# Allegro board RK3588S_Template_LP5D315P232SD10H2_42x42_2750MHz_1R2_V10_20220413YWQ.brd (continued)
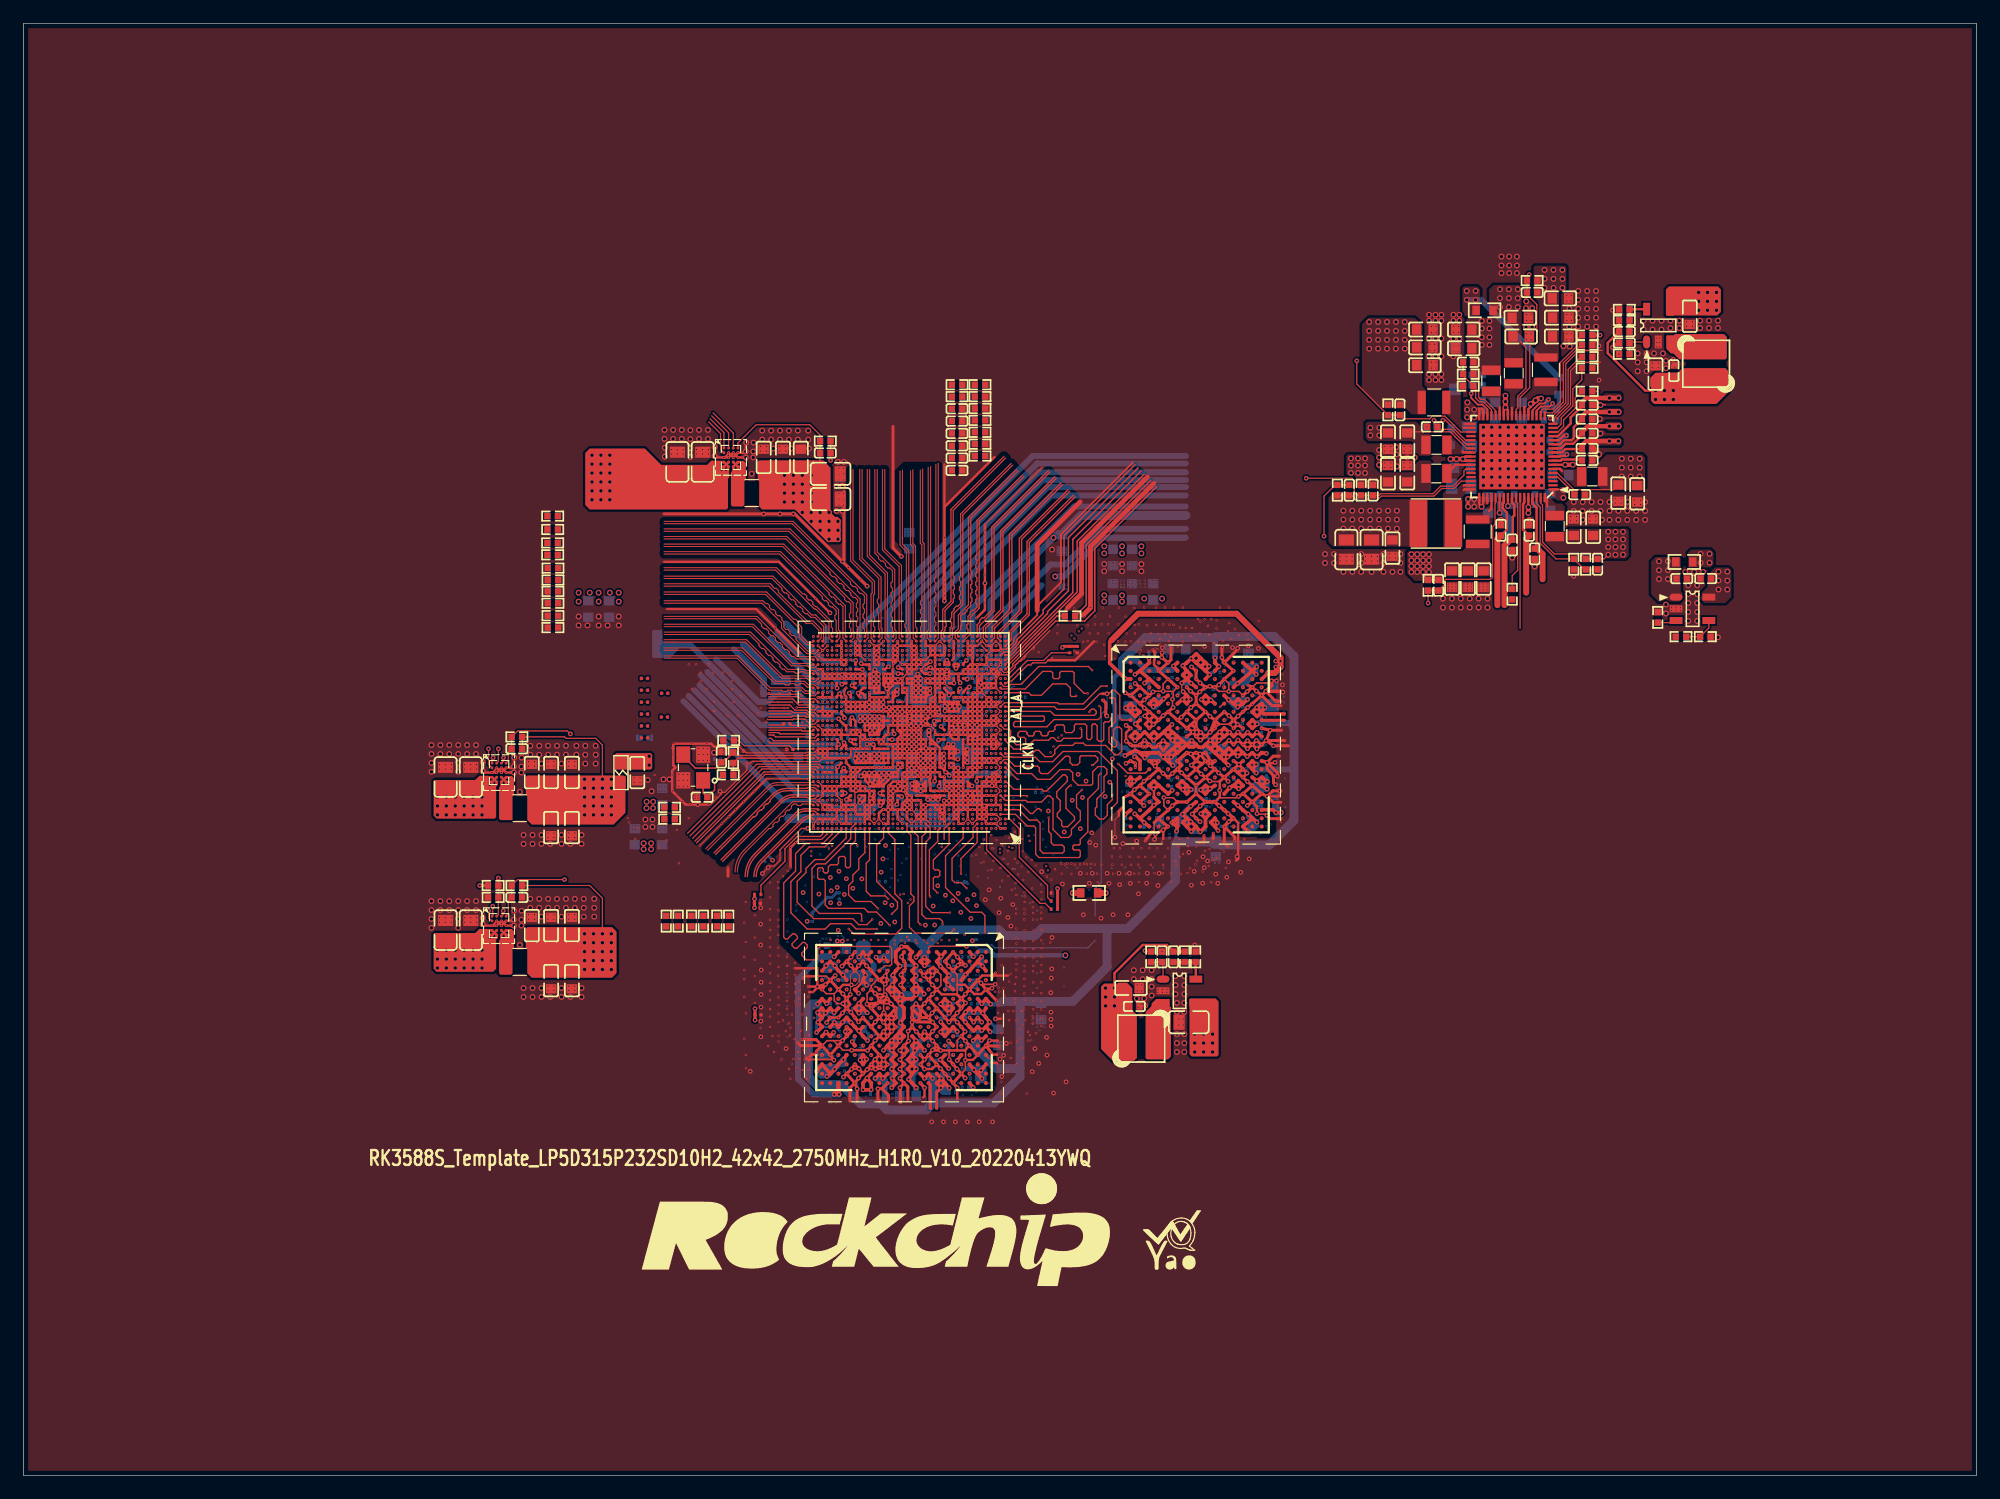
[diagram p0: board, top side]
## Routing (per net, layer and track width the routed paths; a pad name or vN(x,y) marks a point on that pad's centre or on a via; arc(x,y) is an arc through that point) (continued)
  L3-S1 w0.127: v1(73.5,37.93) 73.5,38.72 v1(73.49,38.73) ; v1(73.5,37.93) 73.5,37.66 73.39,37.55 ; v1(73.5,37.93) 73.53,37.96 v1(74.18,37.96) ; 99.86,56.52 99.89,56.52 v1(100.53,55.88) ; 99.86,56.52 v1(99.86,56.52) ; 99.86,56.52 v1(100.54,57.21) 100.91,57.58 v3(100.95,57.58) ; v8(105.3,67.38) 105.3,67.49 ; 105.3,67.49 105.28,67.47 104.56,67.47 ; 105.3,67.49 105.3,67.68 ; v8(91.06,64.23) 91.06,64.48 v4(91,64.54) ; v8(90.28,60.5) 90.33,60.5 v8(90.49,60.66) 90.49,60.91 ; v8(90.28,60.5) 90.7,60.08 v4(90.75,60.08) ; v8(90.28,60.5) 90.28,60.74 v4(90.15,60.87) ; v1(83.51,49.33) 83.51,48.84 v4(83.4,48.73) ; 88.93,65.98 v4(89.05,66.09) 89.42,66.47 v4(89.56,66.47) ; 88.93,65.98 88.86,65.91 v8(88.72,65.91) 88.44,65.91 87.9,65.38 v8(87.9,65.3) 87.9,64.94 v4(87.89,64.93) 87.92,64.9 ; 88.93,65.98 v4(88.93,65.4) 89.1,65.23 v8(89.1,65.01) ; v4(103.83,68.37) 104.09,68.11 v8(104.09,68.07) ; v4(73.83,46.62) 73.65,46.8 v8(73.65,46.92) ; v4(73.83,46.62) 73.63,46.43 v8(73.58,46.43) ; v4(73.83,46.62) 74.01,46.44 v8(74.11,46.44) ; v4(92.33,61.09) 92.43,61.18 v8(92.63,61.18) 92.57,61.25 v8(92.57,61.39) 92.36,61.39 v4(92.26,61.5) 92.26,61.17 v4(92.33,61.09) ; v4(92.33,61.09) 92.24,60.99 v8(92.24,60.8) ; 98.14,68.3 v8(98.14,67.99) ; 98.14,68.3 98.05,68.22 97.92,68.22 v8(97.84,68.29) ; 98.14,68.3 v4(98.19,68.35) ; 104.56,67.47 v3(104.62,67.53) ; 104.56,67.47 104.56,67.22 ; 104.56,67.22 105.16,67.22 v1(105.34,67.03) ; 104.56,67.22 v1(104.56,66.99) ; 97.94,59.6 97.94,59.77 v1(98.17,60) 98.92,60 v1(98.96,60.03) 99.12,59.88 99.12,59.16 ; 97.94,59.6 v8(97.69,59.85) 97.54,60 v1(97.37,60) 97.02,60.36 v4(97.02,60.36) ; 97.94,59.6 v8(97.94,59.49) 97.94,59.24 v4(98.03,59.15) 98.21,58.97 v8(98.34,58.97) 98.4,58.91 v8(98.61,58.91) 98.86,59.16 99.12,59.16 ; 99.12,59.16 100.42,59.16 100.79,59.53 v8(100.79,59.56) ; v4(89.56,66.47) 89.68,66.59 89.68,66.78 89.85,66.94 90.02,66.94 90.14,67.06 v8(90.14,67.06) 90.44,67.06 v4(90.48,67.03) ; v4(89.56,66.47) 89.62,66.41 v8(89.62,65.88) ; v8(83.03,48.82) 83.31,48.82 v4(83.4,48.73) ; 92.55,65.31 v8(92.62,65.38) 92.83,65.6 v8(92.83,65.62) 92.89,65.67 92.89,65.79 ; v1(100.58,63.51) 100.56,63.53 v1(99.93,63.53) ; v4(72.73,40.06) 72.68,40.01 ; 72.68,40.01 72.61,39.94 v8(72.61,39.79) ; 72.68,40.01 72.58,40.01 v8(72.44,40.15) 72.22,40.15 v1(72.08,40.28) 72.08,40.65 v8(72.02,40.71) ; v8(81.56,47.67) 81.79,47.45 v4(81.79,47.4) 81.86,47.33 v8(81.86,47.04) 81.86,46.8 v4(81.72,46.66) 81.65,46.59 ; 105.3,67.68 105.19,67.57 v8(105,67.57) ; 105.3,67.68 v4(105.34,67.72) ; v3(85.28,52.04) 86.97,50.34 v3(86.97,38.4) 86.97,38.29 86.21,37.53 ; v3(85.28,52.04) v3(84.94,52.38) ; v3(85.28,52.04) 85.24,52.04 ; v8(89.26,65.56) 89.26,65.88 ; v8(89.26,65.56) 89.32,65.62 ; v8(89.26,65.56) 89.09,65.56 ; 90.26,54.03 v8(90.58,54.03) 90.65,54.09 v1(91.1,54.09) ; 90.26,54.03 90.28,54.05 v8(90.28,54.19) 90.28,54.37 v8(90,54.64) ; 90.26,54.03 v4(90.11,53.88) ; 72.18,41.22 72.26,41.31 v8(72.26,41.42) ; 72.18,41.22 v4(72.07,41.11) 72.02,41.06 ; 72.18,41.22 v8(72.42,41.22) 72.75,41.22 v1(72.77,41.2) ; v8(100.79,59.56) 100.81,59.58 100.81,59.76 v1(100.63,59.95) 100.62,59.95 v4(100.24,60.33) ; v8(100.79,59.56) 100.91,59.56 101.13,59.34 v1(101.37,59.34) 101.42,59.39 101.64,59.39 101.65,59.38 101.87,59.38 101.88,59.39 v4(102.25,59.39) ; v4(92.09,57.45) 92.09,57.55 92.33,57.79 92.33,57.94 v1(92.42,58.02) ; v4(92.09,57.45) 91.94,57.3 v8(91.94,57.13) 91.97,57.1 v8(92.16,57.1) 92.16,57.38 v4(92.09,57.45) ; v8(97.41,54.32) 97.5,54.32 97.6,54.42 ; 77.69,41.89 78.31,41.89 ; 78.31,41.89 v4(78.34,41.89) 78.34,41.91 78.54,42.12 v8(78.54,42.16) ; 78.31,41.89 78.11,41.68 78.05,41.68 ; v1(95.12,54.22) 94.9,54.43 v8(94.74,54.43) 94.74,54.59 94.9,54.75 ; v1(95.12,54.22) 95.12,53.92 ; v1(95.12,54.22) 95.12,54.78 v4(95.02,54.88) 94.9,54.75 ; v1(90.48,57.94) 90.93,57.94 v4(91.15,57.73) ; v8(73.67,48.17) 73.7,48.14 73.7,48.05 73.8,47.95 v8(73.8,47.87) ; v8(73.67,48.17) 73.81,48.31 v8(73.81,48.47) ; v8(73.67,48.17) 73.47,48.17 v4(73.34,48.03) ; v8(92.56,66.1) 92.68,65.99 v4(92.89,65.99) 93.29,65.59 v4(93.35,65.59) 93.18,65.42 v8(93.04,65.42) 92.84,65.62 ; v3(64.5,47.5) 64.5,38.6 64.55,38.56 ; v8(83.18,46.66) 83.18,46.36 v8(83.13,46.31) 83.28,46.31 v8(83.52,46.55) ; v8(83.18,46.66) 83.27,46.66 83.55,46.94 ; v8(83.18,46.66) 83.11,46.59 v8(82.87,46.59) 82.83,46.59 82.57,46.86 v4(82.54,46.86) 82.54,46.94 82.41,47.07 82.41,47.1 v8(82.39,47.12) ; 72.15,46.59 v8(71.65,46.59) 71.3,46.59 v8(71.27,46.62) 71.27,46.65 v4(71.05,46.87) ; v8(104.51,69.65) 104.51,69.78 v4(104.72,69.99) ; v8(91.35,65.93) 91.35,66.17 v4(91.47,66.29) ; v8(71.13,47.21) 71.13,46.94 v4(71.05,46.87) ; v8(96.99,64.3) 96.99,64.3 96.99,64.62 97.02,64.64 v4(97.02,64.67) ; v8(96.99,64.3) 96.99,64.02 v8(97,64.01) ; v8(96.99,64.3) 96.67,64.3 v1(96.54,64.18) ; v4(71.05,46.87) 70.92,46.87 v8(70.75,47.05) ; v4(71.05,46.87) 70.97,46.79 v8(70.97,46.54) ; v4(72.44,37.92) 72.59,37.78 v8(73.01,37.78) 72.85,37.62 v8(72.85,37.59) ; v4(72.44,37.92) 72.44,38.15 72.27,38.32 ; v4(72.44,37.92) 72.27,38.1 v8(72.11,38.1) ; 70.38,34.42 70.69,34.73 v1(70.75,34.73) 70.71,34.76 v4(70.71,35.49) ; 70.38,34.42 v4(70.37,34.41) ; 70.38,34.42 v8(70.38,34.75) ; v8(90.37,64.69) 90.37,64.95 v4(90.19,65.14) 90.19,65.24 v4(89.8,65.62) ; v8(90.37,64.69) 90.2,64.51 v8(90.06,64.51) 90.06,64.43 90.09,64.4 90.09,64.18 v4(90.06,64.15) 90.02,64.2 v8(89.66,64.2) ; v8(90.37,64.69) 90.51,64.82 v8(90.71,64.82) 90.73,64.82 ; v8(89.66,64.2) 89.66,64.2 v8(89.36,64.2) 89.57,63.98 v4(89.57,63.78) 89.66,63.87 v8(89.66,64.2) ; v1(79.85,43.6) 80.47,43.6 80.49,43.59 ; v1(79.85,43.6) 79.13,43.6 v1(79.05,43.53) ; v1(79.85,43.6) 79.8,43.66 v1(79.8,44.31) 79.97,44.14 v8(80.06,44.14) 80.07,44.13 80.11,44.13 80.13,44.11 80.42,44.11 v4(80.49,44.05) ; v1(67.83,41.78) 67.81,41.8 v3(67.04,41.8) ; v1(67.83,41.78) 67.85,41.76 68.29,41.76 68.49,41.96 v1(68.53,41.96) ; v1(67.83,41.78) 67.46,41.4 v3(67.46,41.32) ; 79.5,36.51 v4(79.58,36.43) ; 79.5,36.51 79.4,36.61 v8(79.4,36.7) ; 79.5,36.51 v8(79.23,36.51) ; 96.45,68.26 v8(96.45,67.91) 96.45,67.82 v4(96.69,67.58) ; 96.45,68.26 96.37,68.18 v8(96.07,68.18) ; 96.45,68.26 v4(96.49,68.3) ; v4(90.48,67.03) 90.44,67 v8(90.44,66.62) 90.61,66.46 v8(90.61,66.42) 90.77,66.25 v4(90.77,66.09) ; v4(90.48,67.03) 90.56,67.03 90.68,67.15 90.94,67.15 91.02,67.23 v4(91.04,67.23) ; v8(96.72,60.25) 96.91,60.25 v4(97.02,60.36) ; v4(70.37,34.41) 70.41,34.37 v8(70.41,34.07) 70.36,34.02 70.09,34.02 v1(70.06,34.05) 69.94,34.17 v4(69.94,34.49) 70.02,34.41 v4(70.37,34.41) ; v8(91.56,58.93) 91.56,58.93 v4(91.32,58.69) 91.66,58.69 v8(91.68,58.71) 91.68,58.82 v8(91.56,58.93) ; v8(91.56,58.93) 91.59,58.96 v4(91.59,60.06) ; v8(80.92,43.43) 80.86,43.38 v8(80.86,43.16) 80.86,43.05 80.98,42.93 v4(80.98,42.84) 81.02,42.84 81.1,42.92 81.1,43.15 v8(81.16,43.21) 81.14,43.21 v8(80.92,43.43) ; v8(80.92,43.43) 80.95,43.46 v8(81.33,43.46) ; v8(80.92,43.43) 80.64,43.43 v1(80.49,43.59) 80.49,43.59 ; v8(87.92,64.51) 87.92,64.9 ; 87.92,64.9 88.09,64.73 v8(88.25,64.73) ; 96.04,53.82 95.95,53.92 ; 96.04,53.82 96.1,53.76 ; 96.04,53.82 96.01,53.79 95.05,53.79 95.02,53.82 ; 95.95,53.92 95.84,54.02 ; 95.95,53.92 95.94,53.9 95.13,53.9 95.12,53.92 ; v4(66.52,48.81) 66.52,48.76 ; 66.52,48.76 66.46,48.7 v8(66.46,48.45) ; 66.52,48.76 66.67,48.61 66.67,48.47 v8(66.68,48.46) ; v1(84.12,47.69) 83.64,47.69 83.36,47.96 v1(83.36,48.09) 83.36,48.69 ; 88.29,51.62 86.06,53.85 85.94,53.85 85.83,53.95 ; 90.3,54.94 90.34,54.9 90.4,54.9 90.55,54.75 91.1,54.75 ; 90.3,54.94 v8(90,54.64) ; 90.3,54.94 v1(90.3,55.28) ; 77.73,35.23 77.69,35.27 ; 77.69,35.27 v4(77.62,35.34) ; 77.69,35.27 77.89,35.27 v8(77.94,35.32) ; v8(79.31,51.14) 79.31,51.4 ; 79.31,51.4 79.5,51.21 v8(79.54,51.21) ; 79.31,51.4 v4(79.23,51.48) ; v3(83.08,64.92) 83.02,64.86 v4(82.78,64.86) ; 84.62,46.7 v8(84.62,46.44) 84.62,46.24 v8(84.56,46.18) ; 84.62,46.7 v1(84.37,46.95) ; 84.62,46.7 84.66,46.74 v3(84.83,46.74) ; 96.1,53.76 96.03,53.69 95.03,53.69 94.96,53.76 95.02,53.82 ; 96.1,53.76 96.19,53.67 v3(96.19,53.6) ; v1(77.68,36.36) 76.99,35.67 v1(76.99,35.54) ; v1(77.68,36.36) 77.69,36.37 v1(77.69,37.14) 78.15,37.14 v8(78.21,37.2) 78.21,37.22 v8(78.37,37.38) 78.49,37.5 v4(78.69,37.5) ; v1(77.68,36.36) 78.33,36.36 v1(78.37,36.33) ; v8(72.02,40.71) 72.02,41.06 ; v8(72.02,40.71) 71.92,40.81 71.77,40.81 ; 90.66,61.07 v4(90.62,61.03) 90.49,60.91 ; 90.66,61.07 90.76,61.17 v4(90.76,61.53) 90.76,61.53 v8(91.08,61.53) 91.08,61.3 v4(91.25,61.13) 91,61.13 v8(90.95,61.07) 90.66,61.07 ; v3(99.5,53.78) 99.5,53.66 98.43,52.59 v3(98.43,52.49) 98.33,52.49 98.11,52.27 98.11,52.17 ; 107.05,66.46 106.93,66.58 106.15,66.58 ; v8(73.68,47.49) 73.57,47.6 v8(73.57,47.78) ; 80.87,35.21 v4(81,35.35) ; 80.87,35.21 80.84,35.19 v8(80.69,35.19) 80.69,35.27 v1(80.47,35.49) ; 80.87,35.21 v8(80.87,35.01) 80.75,34.89 80.75,34.66 v8(80.5,34.4) ; 72.27,38.32 72.34,38.32 v1(72.77,38.76) 73.46,38.76 v1(73.49,38.73) ; 72.27,38.32 v8(72.22,38.32) ; 95.84,54.02 95.84,53.63 95.8,53.59 v3(96.88,53.59) ; 95.84,54.02 v3(95.84,54.22) ; v4(80.49,44.05) 80.4,44.05 80.27,43.92 v8(80.27,43.8) ; v4(80.49,44.05) 80.49,43.59 ; 73.39,37.55 73.26,37.55 v4(73.19,37.48) 73.09,37.59 v8(72.85,37.59) ; 73.39,37.55 v8(73.57,37.55) ; v8(72.85,37.59) 72.77,37.5 v1(72.77,37.16) 72.67,37.06 v8(72.67,36.78) 72.69,36.78 v4(72.94,36.53) 72.94,36.52 v8(72.59,36.52) 72.32,36.52 v1(72.12,36.33) ; v1(84.54,48.79) 84.54,48.73 v3(84.82,48.44) ; 85.83,53.95 86.09,53.95 86.2,53.85 ; 85.83,53.95 85.6,54.19 85.6,54.31 85.19,54.72 84.98,54.72 ; v8(77.86,39.83) 77.86,39.85 v4(77.62,40.09) ; v8(86.6,57.23) 86.6,57.37 86.47,57.5 v4(86.45,57.5) 86.47,57.53 86.6,57.53 86.6,57.53 86.78,57.53 v8(86.8,57.52) 86.89,57.61 86.99,57.61 v4(87.08,57.71) 87.08,57.65 87.4,57.34 v8(87.4,57.32) 87.57,57.15 v1(87.57,56.79) ; 106.49,65.99 106.48,66 105.09,66 104.99,66.11 v8(104.98,66.11) 104.98,66.01 v1(104.6,65.63) ; v4(71.47,37) 71.45,37 71.18,36.74 v8(71.18,36.71) 71.1,36.63 v8(71.1,36.47) 70.89,36.47 v1(70.77,36.35) ; v4(71.47,37) 71.45,37.03 71.45,37.11 v8(71.29,37.27) ; v4(71.47,37) 71.47,37.03 71.56,37.12 v4(71.56,37.42) ; 86.21,37.53 v3(85.83,37.92) ; 86.21,37.53 v3(84.35,35.67) ; v4(78.08,49.36) 78.25,49.19 v8(78.25,49.04) ; v8(100.24,64.94) 100.32,65.02 100.5,65.02 v4(100.59,64.93) 100.8,65.14 101.08,65.14 v8(101.12,65.1) 101.15,65.1 v1(101.39,64.87) ; 81.65,46.59 81.57,46.51 v8(81.38,46.51) ; 81.65,46.59 v8(81.65,46.28) ; v4(77.62,40.09) 77.62,39.55 v1(77.64,39.53) 77.69,39.48 v1(77.69,38.74) ; v4(77.62,40.09) 77.7,40.17 v8(77.94,40.17) ; v4(77.62,40.09) 77.53,40.18 77.32,40.18 77.16,40.34 v1(76.99,40.34) 76.29,40.34 v1(76.26,40.31) ; 86.28,39.58 v3(86.28,39.13) ; 86.28,39.58 v3(85.6,38.9) v3(84.84,38.9) v3(84.21,38.9) 83.9,38.9 v3(83.26,39.54) 82.96,39.54 v8(82.94,39.52) 82.94,39.14 v1(83.05,39.03) 83.24,38.85 v8(83.24,38.66) ; 86.28,39.58 86.28,50.11 83.68,52.7 83.57,52.7 82.93,53.34 82.93,53.46 82.33,54.06 ; v4(79.23,51.48) 79.23,51.54 79.38,51.69 79.38,51.75 v8(79.43,51.8) 79.43,51.95 v4(79.22,52.16) 79.21,52.16 v8(79.21,51.82) 79.21,51.49 v4(79.23,51.48) ; v8(93.81,68.53) 93.59,68.53 v4(93.46,68.39) ; v8(93.87,67.28) 93.87,67.58 v4(93.81,67.64) 93.79,67.61 ; 98.11,52.17 95.27,52.17 v3(95.25,52.19) ; 98.11,52.17 98.74,52.17 98.91,52.34 ; v4(90.75,60.08) 90.79,60.04 v1(90.79,59.34) ; v4(90.75,60.08) 90.58,59.92 v1(90.11,59.92) 89.55,59.92 v8(89.43,60.03) 89.39,60.03 v4(89.13,60.29) 89.13,60.29 v8(89.13,59.84) ; v4(99.98,70.58) 99.75,70.35 v8(99.74,70.35) ; v4(99.98,70.58) 100.19,70.37 v8(100.32,70.37) ; v4(99.98,70.58) 99.79,70.77 v8(99.7,70.77) ; v8(91.39,57.94) 91.36,57.94 v4(91.15,57.73) ; v8(91.06,53.32) 91.1,53.36 v1(91.1,54.09) ; 98.73,57.66 98.89,57.82 v8(98.89,57.89) ; v8(78.89,46.51) 79.11,46.73 v4(79.11,46.76) 78.9,46.97 v8(78.9,47.05) ; v8(90,54.64) 89.71,54.64 v4(89.62,54.55) 89.54,54.62 89.43,54.62 v8(89.33,54.73) 89.27,54.73 89,55 v1(88.92,55) ; 69.96,37.14 69.75,36.93 v8(69.61,36.93) 69.41,37.14 ; v8(91.31,57.43) 91.31,57.56 v4(91.15,57.73) ; v4(91.15,57.73) 90.93,57.51 v8(90.93,57.46) ; v3(83.83,41.01) 83.83,41.51 v3(83.73,41.61) 83.65,41.69 v3(83.31,41.69) v1(83.03,41.97) 82.75,41.69 v1(82.75,41.64) 82.75,41.6 v3(83.01,41.34) 83.02,41.35 v3(83.39,41.35) ; v8(98.34,64.62) 98.4,64.62 98.54,64.47 ; 95.12,53.92 95.02,53.82 ; v4(77.62,35.34) 77.39,35.57 v8(77.39,35.62) 77.31,35.54 v1(76.99,35.54) ; v4(77.62,35.34) 77.78,35.5 77.81,35.5 77.83,35.53 v8(77.86,35.53) ; 91.1,54.75 v1(91.28,54.92) ; 91.1,54.75 v1(91.1,54.09) ; v8(72.45,43) 72.6,43.15 v4(72.77,43.15) 72.88,43.15 v8(73.07,43.35) 73.23,43.5 v8(73.23,43.6) ; v1(79.09,38.74) v1(79.79,38.74) 79.78,38.75 v1(79.78,39.53) 80.49,40.24 v1(80.49,40.39) 80.49,40.39 v1(80.49,41.14) ; v1(83.59,34.09) 83.59,34.1 84.02,34.53 v3(84.12,34.53) ; 79.2,41.17 v4(79.11,41.09) ; 79.2,41.17 79.22,41.2 v8(79.42,41.2) 79.51,41.2 v8(79.8,41.5) ; 79.2,41.17 v8(79.2,41.42) 79.35,41.57 v8(79.52,41.57) 79.52,41.6 v4(79.75,41.83) ; v4(79.11,41.09) 78.77,41.09 v8(78.73,41.04) 78.53,40.85 v4(78.44,40.85) 78.64,40.65 v8(78.77,40.65) 78.77,40.75 v4(79.11,41.09) ; v8(72.2,46.64) 72.2,46.95 v8(72.3,47.05) 72.3,47.23 ; v1(91.1,54.09) 91.33,53.86 v1(91.62,53.86) ; v8(93.33,63.24) 93.33,63.09 v4(93.15,62.92) 93.02,63.06 v8(93.02,63.29) ; 64.55,38.56 v3(65.49,37.61) 65.81,37.3 v3(65.89,37.3) ; 64.55,38.56 64.55,50.76 ; v4(92.53,68.83) 92.53,68.73 v4(92.89,68.37) ; 83.55,46.94 83.55,46.58 v8(83.52,46.55) ; 83.55,46.94 v4(83.57,46.97) ; v1(76.99,35.54) v1(76.99,34.74) 76.99,34.65 77.26,34.37 77.95,34.37 v1(78.36,34.78) 78.16,34.78 v8(78.01,34.94) ; 94.9,54.75 v8(94.69,54.75) 94.54,54.75 v4(94.41,54.63) 94.22,54.63 v8(94.11,54.73) ; v8(93.8,57.38) 93.55,57.38 v4(93.43,57.27) 93.45,57.27 93.63,57.09 v8(93.72,57.09) ; v8(98.61,65.65) 98.61,65.97 98.62,65.98 ; 100.12,57.62 v8(99.09,57.62) 98.69,57.62 ; v4(98.25,70.41) 98.36,70.52 v8(98.6,70.52) 98.72,70.4 v8(98.72,70.26) 99.03,70.26 v4(99.07,70.22) 98.99,70.15 v8(98.99,69.82) ; v8(92.78,53.69) 92.75,53.72 v4(92.75,54.02) ; v1(73.49,38.73) 73.52,38.76 v1(73.52,39.56) ; v8(90.46,65.83) 90.51,65.83 ; v8(68.16,36.87) 68.15,36.86 67.97,36.86 v4(67.86,36.97) ; v8(91.68,67.83) 91.68,67.92 v4(91.88,68.12) 91.84,68.16 v8(91.24,68.16) 91.24,68.28 v4(91.03,68.49) ; v1(76.29,37.94) 76.26,37.96 75.79,37.96 ; v4(97.02,60.36) 97.02,60.38 96.8,60.61 v1(96.69,60.61) ; v4(97.02,60.36) 97.04,60.38 v8(97.04,60.7) ; v4(93.46,68.39) 93.46,68.04 v8(93.43,68.01) ; v4(93.46,68.39) 93.43,68.37 ; v8(77.51,46.49) 77.61,46.59 v8(77.61,46.81) ; v8(73.31,47.71) 73.31,48.01 v4(73.34,48.03) ; v1(98.18,66.34) 98.3,66.22 v8(98.3,65.98) 98.62,65.98 ; v8(80.5,34.4) 80.16,34.4 v4(80.16,34.4) 80.09,34.4 v1(79.76,34.74) 79.76,34.78 79.58,34.97 v8(79.58,34.99) 79.58,35.07 v1(79.1,35.54) ; v8(80.5,34.4) 80.46,34.37 v1(80.46,33.96) ; v1(70.71,44.29) v1(70.71,43.57) ; v1(70.71,43.57) 70.72,43.55 ; v1(70.71,43.57) 69.98,43.57 v1(69.95,43.53) ; 103.7,57.91 v8(103.7,57.72) 103.69,57.73 v8(103.46,57.73) 103.21,57.73 ; 93.43,68.37 93.11,68.05 ; 93.43,68.37 v4(92.89,68.37) ; v4(83.19,37.52) 83.22,37.55 v8(83.22,37.92) 83.36,37.92 83.41,37.87 ; v4(83.19,37.52) 83.22,37.52 83.49,37.25 v8(83.5,37.25) 83.54,37.21 v8(83.54,36.9) 83.35,36.71 v3(83.35,36.68) ; v4(83.19,37.52) 82.9,37.52 v1(82.55,37.17) 82.07,37.65 v8(81.77,37.65) 81.54,37.65 81.53,37.64 ; 90.49,60.91 90.46,60.87 v4(90.15,60.87) ; v1(69.99,39.53) 69.99,40.29 v1(70.02,40.33) 70.02,41.16 v1(70.01,41.17) ; v4(73.34,48.03) 73.57,47.8 v8(73.57,47.78) ; 93.79,67.61 93.59,67.42 v8(93.59,67.33) ; 93.79,67.61 v8(93.42,67.61) ; 106.15,66.58 106.15,67.01 v1(106.15,67.01) ; 106.15,66.58 v8(105.59,66.58) 105.59,66.96 105.64,67.01 ; v8(71.09,51.84) 71.12,51.84 v4(71.32,51.64) 71.09,51.42 v8(71.09,51.38) ; v3(91.11,71.96) 91.12,71.96 96.89,71.96 v3(96.97,71.89) ; v8(93.42,67.61) 93.43,67.62 v8(93.43,68.01) ; v8(93.42,67.61) 93.37,67.67 v8(93.11,67.67) 93.11,68.15 93.05,68.2 ; 93.11,68.05 93.39,68.05 v8(93.43,68.01) ; 93.11,68.05 v8(93.05,68.05) 93.05,68.2 ; 93.05,68.2 v4(92.89,68.37) ; v8(83.52,46.55) 83.52,46.46 83.97,46.02 v8(84.01,46.02) 84.19,46.02 v4(84.35,45.85) 84.56,46.06 v8(84.56,46.18) ; v8(97.03,65.91) 97.03,65.57 v4(97.04,65.55) 97.27,65.32 v8(97.44,65.32) 97.44,65 v1(97.38,64.94) 98.42,64.94 v8(98.54,64.82) ; v1(70.7,39.59) 70.7,39.43 ; 70.72,43.55 70.98,43.29 70.98,42.63 ; 70.72,43.55 v1(72.05,43.55) ; v8(84.56,46.18) 84.6,46.18 v3(84.84,45.94) ; v8(89.62,65.88) 89.41,66.09 89.33,66.09 ; v8(89.62,65.88) 89.62,65.8 ; v8(68.32,37.41) 68.51,37.41 v8(68.58,37.34) 68.61,37.37 v4(68.91,37.37) ; v1(98.93,64.8) 98.83,64.9 98.62,64.9 v8(98.54,64.82) ; v1(98.93,64.8) 98.83,64.8 98.63,64.6 v4(98.63,64.39) 98.54,64.47 ; v1(98.93,64.8) 98.93,64.9 99.17,65.14 v8(99.17,65.19) ; v4(78.58,51.86) 78.57,51.86 78.57,51.6 78.61,51.56 v8(78.61,51.54) ; v4(90.15,60.87) 90.05,60.77 v8(89.85,60.77) ; v1(77.68,37.96) 77.68,37.14 ; 102.82,56.68 102.63,56.68 v8(102.59,56.64) 102.57,56.63 102.57,56.6 v4(102.35,56.38) 102.29,56.45 v8(102.29,56.72) ; v8(77.61,46.81) 77.29,46.81 v1(77.06,47.03) ; v8(77.61,46.81) 77.62,46.81 v1(77.85,47.04) ; v8(81.53,37.85) 81.53,37.64 ; 81.53,37.64 v4(81.44,37.55) ; v8(79.54,51.21) 79.71,51.21 v4(79.84,51.08) 79.73,50.97 v8(79.53,50.97) 79.53,51.19 v8(79.54,51.21) ; v4(72.19,47.34) 71.98,47.55 v8(71.98,47.58) ; v1(93.26,54.54) 93.4,54.54 v1(93.94,54) ; v1(94.13,66.88) 94.28,66.73 94.74,66.73 94.99,66.98 v1(94.99,67.67) 95.77,66.89 v1(95.77,66.29) 95.77,66.29 v1(95.77,65.58) 95.82,65.54 v1(95.82,64.9) ; 93.72,55.65 93.72,55.82 v8(93.7,55.84) 93.7,55.86 93.48,56.08 ; 93.72,55.65 v4(93.72,55.35) ; 93.72,55.65 93.61,55.76 v8(93.44,55.76) 93.44,56.05 93.48,56.08 ; v8(73.57,47.78) 73.66,47.87 v8(73.8,47.87) ; v3(84.83,42.59) 84.82,42.59 v3(84.82,44.82) ; v8(98.54,64.82) 98.54,64.47 ; 91.13,66.29 v8(91.12,66.28) 90.96,66.28 ; v1(101.37,67.44) 101.67,67.14 v8(101.67,67.1) ; 73.81,47.49 73.98,47.49 v8(74,47.47) 74,47.67 v8(73.8,47.87) ; 72.02,41.06 71.77,40.81 ; 77.65,41.93 77.69,41.96 77.69,42.71 v1(77.66,42.74) 76.98,42.74 76.96,42.72 v1(76.93,42.72) ; v4(91.66,65.3) 91.68,65.31 v8(91.98,65.31) 91.99,65.31 v4(92.31,65.31) 92.56,65.06 92.56,64.95 ; 68.07,33.88 68.19,33.75 v8(68.26,33.75) 68.38,33.63 v8(68.54,33.63) ; 68.07,33.88 v8(68.07,33.63) ; 68.07,33.88 v4(68.01,33.93) 68.14,34.07 v8(68.14,34.24) 68.27,34.37 v8(68.27,34.46) ; v8(89.35,61.26) 89.53,61.43 v4(89.62,61.43) 89.7,61.43 89.88,61.61 v8(89.88,61.63) ; v1(80.46,37.94) 80.49,37.91 v1(80.49,37.14) ; v4(91.67,63.68) 91.48,63.86 v8(91.37,63.86) ; 70.27,37.94 70.49,37.94 70.89,38.34 70.93,38.34 v1(71.36,38.77) ; 93.48,56.08 v4(93.48,56.09) 93.48,56.1 v8(93.25,56.33) ; v8(83.08,48.5) 83.17,48.5 83.36,48.69 ; v8(93.12,63.54) 92.81,63.54 92.73,63.61 v4(92.73,63.66) ; 83.36,48.69 v4(83.4,48.73) ; v4(98.65,66) 98.62,65.98 ; v8(97.23,56.39) 97.23,56.14 97.18,56.09 97.27,55.99 v3(97.27,55.87) ; v4(69.33,37.14) 69.33,36.79 v8(69.35,36.77) ; v8(79.55,36.96) 79.61,36.96 v4(79.82,37.16) ; 71.77,40.81 v4(71.64,40.81) ; v8(101.88,68.52) 102.06,68.33 v4(102.22,68.33) ; v1(92.82,59.25) 93.17,58.89 v8(93.18,58.89) 93.2,58.91 v4(93.52,58.91) 93.58,58.85 v8(93.86,58.85) ; 92.19,52.9 v3(93.01,52.9) ; 63.8,38.17 63.96,38.01 ; v1(103.85,60.77) 103.85,60.69 103.73,60.57 103.73,59.35 103.62,59.25 103,59.25 v1(102.93,59.32)
  L3-S1 w0.152: v4(86.62,67.35) 86.62,67.5 v8(86.74,67.62) ; v8(98.72,61.28) 98.72,61.54 v4(98.85,61.66) 99,61.81 v8(99,62.32) ; 80.56,71.43 v3(80.69,71.3) 80.69,71.1 ; 80.56,71.43 v8(80.56,71.63) v8(80.56,72.26) v8(80.56,72.95) ; 80.56,71.43 80.56,71.23 80.69,71.1 ; v8(99,62.32) 98.57,61.89 98.53,61.89 ; v8(99,62.32) 99.42,61.89 99.44,61.89 ; v4(79.88,47.45) 80.18,47.45 v8(80.18,47.45) ; 101.09,61.85 99.25,61.85 99.16,61.76 ; 101.09,61.85 101.81,61.85 v8(101.94,61.72) 101,61.72 100.97,61.7 100.57,61.7 v1(100.54,61.66) v1(99.74,61.66) ; 101.09,61.85 v3(101,61.76) ; v1(102.13,60.04) 102.32,59.85 ; 102.32,59.85 102.34,59.82 v8(102.34,59.67) 102.34,59.48 ; 102.32,59.85 102.46,59.85 v8(102.48,59.86) 102.62,59.86 v4(102.78,60.02) 102.83,59.96 v8(102.83,59.72) 102.83,59.41 ; v8(102.36,61.09) 102.33,61.06 v3(101.8,61.06) v3(101,61.06) 100.88,60.95 ; 82.8,55.73 82.82,55.72 82.84,55.72 82.86,55.7 v3(83.1,55.7) ; v3(99.4,61.76) 99.16,61.76 ; 99.16,61.76 v8(99.15,61.75) 98.77,61.75 v8(98.52,61.5) ; v8(102.4,66.7) 102.4,66.49 102.39,66.48 ; v3(63.45,64.41) v3(62.74,65.13) v3(61.28,66.59) 60.92,66.94 v8(60.4,66.94) 60.02,66.94 ; v3(67.49,71.7) v8(67.31,71.88) v8(66.75,72.44) 66.62,72.44 v8(65.99,73.08) v8(65.1,73.96) v8(64.59,74.47) v8(63.2,75.87) 61.74,77.33 ; 102.34,59.48 102.35,59.49 102.57,59.49 v8(102.59,59.47) 102.77,59.47 102.83,59.41 ; 102.34,59.48 v4(102.25,59.39) ; v4(102.46,64.91) 102.46,64.89 v8(102.18,64.61) 102.18,64.18 v4(102.18,64.18) ; v4(102.46,64.91) 102.74,65.19 v8(102.84,65.19) ; v4(102.46,64.91) 102.46,65.12 v8(102.31,65.27) 102.32,65.27 102.64,65.58 ; v3(63.35,61.04) 58.62,56.31 v4(58.37,56.31) 57.1,56.31 ; 102.64,65.58 v4(102.64,65.6) 102.64,65.94 v8(102.59,65.98) 102.59,66.03 102.49,66.13 ; 102.64,65.58 102.77,65.45 102.77,65.26 v8(102.84,65.19) ; 80.69,71.1 v4(80.85,70.94) ; 102.49,66.13 v4(102.26,66.35) 102.39,66.48 ; 102.49,66.13 102.49,66.41 v8(102.55,66.48) 102.39,66.48 ; v4(102.18,64.18) 101.95,64.18 v8(101.81,64.32) ; v4(102.18,64.18) 102.4,63.96 v8(102.55,63.96) ; v4(90.22,68.04) v8(90.55,68.04) ; v4(97.57,54.7) 97.6,54.7 97.6,54.42 97.7,54.32 v8(97.78,54.32) 97.8,54.3 98.27,54.3 98.32,54.35 ; v8(62.25,63.57) 60.5,65.33 v8(60.4,65.33) 60.38,65.3 59.64,65.3 ; v4(82.79,55.69) 82.79,55.7 83.1,55.7 ; 57.99,53.77 57.86,53.77 v3(57.78,53.85) 57.78,53.57 ; v3(63.58,66.09) v8(64.47,65.2) ; v3(71,45.77) v3(68.96,45.77) ; v4(79.67,72.19) 79.68,72.19 ; 95.72,62.26 95.93,62.26 ; 95.72,62.26 95.72,62.74 v1(95.79,62.82) 96,62.61 96,62.35 v3(95.93,62.27) 95.93,62.26 ; 95.72,62.26 v3(95.63,62.26) ; 95.93,62.26 96.07,62.26 ; v4(81.81,45.91) 81.65,46.08 v8(81.65,46.28) ; v8(89.32,68.43) 89.32,68.19 v4(89.27,68.14) ; 63.8,37.81 v3(63.8,38.34) v3(63.8,39.87) v3(63.8,41.39) v3(63.8,42.92) v3(63.8,44.44) v3(63.8,45.96) v3(63.8,47.49) ; 102.83,59.41 v1(102.93,59.32) ; v8(99.89,60.3) 100.21,60.3 v4(100.24,60.33) 100.27,60.36 v8(100.27,60.69) ; 83.39,71.55 83.17,71.55 83.17,71.61 83.74,72.19 ; v8(65.23,65.33) v3(64.97,65.58) v3(64.47,66.09) v3(63.7,66.85) 61.25,69.31 v8(61.16,69.31) 59.95,69.31 v8(59.94,69.31) v3(58.55,69.31) v4(58.17,69.31) v3(57.48,69.31) 57.36,69.31 ; v4(57.61,55.55) 58.68,55.55 v8(59.51,56.38) 59.51,56.44 v3(64.11,61.04) ; 75.26,45.73 75.24,45.75 71.02,45.75 ; v8(61.67,63.4) 60.47,64.6 v8(60.35,64.6) 59.89,64.6 ; v8(88.86,67.01) 88.86,67.01 v4(88.65,66.8) ; 57.36,68.6 v3(57.86,68.6) v3(58.93,68.6) v3(59.77,68.6) v3(60.43,68.6) ; v3(97.52,52.89) 97.51,52.9 v3(93.01,52.9) ; v3(56.85,69.31) 57.06,69.31 ; v3(58.42,54.48) v8(57.91,54.48) ; v8(102.84,65.19) 102.84,65.14 103,64.97 v1(103,64.92) ; 60.27,67.64 v8(60.78,67.64) 60.93,67.64 v8(63.89,64.69) ; v8(98.53,61.74) 98.48,61.79 97.53,61.79 v3(97.39,61.93)
  L3-S1 w0.178: v8(78.01,34.94) 78.01,35.26 v8(77.94,35.32)
  L3-S1 w0.203: v8(69.93,75.87) v8(69.67,76.12) v8(67.64,78.16) v8(65.99,79.81) 64.91,80.89 ; v3(67.89,59.3) 67.71,59.49 v4(67.51,59.49) 67.07,59.49 v3(67.06,59.48) ; v3(80.69,56.1) 80.69,56.5 ; 80.69,56.5 v3(80.29,56.9) ; 80.69,56.5 v3(81.09,56.9) ; v8(77.94,35.32) 77.86,35.41 v8(77.86,35.53) ; 71.5,56.52 71.12,56.52 ; v8(100.27,60.69) 100.26,60.7 v1(99.79,60.7) 99.89,60.61 v8(99.89,60.3) ; v3(98.27,72.69) 88.9,72.69 88.86,72.65 88.21,72.65 ; v3(77.09,70.9) v3(77.09,71.3) v4(77.09,71.63) 77.09,71.83 v8(76.99,71.93) ; v8(78.05,72.82) 78.05,72.54 v4(78.09,72.51) 78.09,72.45 78.31,72.23 v8(78.31,71.93) v8(78.31,71.55) 78.29,71.54 v3(78.29,71.3) ; v8(92.63,61.18) 92.69,61.24 v1(93.04,61.24) ; v1(76.99,40.34) 76.99,40.52 77.61,41.14 v1(77.69,41.14) ; v8(66.62,62.79) v4(67.01,62.79) v4(67.51,62.79) 67.79,62.79 v8(67.82,62.81) ; v8(75.89,71.53) v3(75.89,71.3) ; v1(100.54,67.72) 100.82,67.44 ; v8(80.01,62.36) 80,62.35 79.89,62.35 ; 79.43,62.02 79.41,62.02 v8(79.28,61.89) 79.04,61.89 78.84,62.1 ; 64.49,38.77 v3(64.51,38.75) ; v8(81.99,72.31) 83.39,73.71 v8(83.39,73.93) ; v8(81.99,72.31) 81.92,72.24 v4(81.92,72.01) v8(81.92,71.71) ; v8(81.99,72.31) v8(82.5,72.82) ; v4(82.79,55.69) 82.67,55.69 82.45,55.47 82.45,55.54 v3(82.3,55.7) ; v1(102.14,67.56) 102.28,67.7 v8(102.28,67.95) 102.28,68.27 v4(102.22,68.33) ; 77.83,41.75 77.65,41.93 ; 77.83,41.75 77.83,41.37 77.69,41.22 v1(77.69,41.14) ; 77.83,41.75 77.98,41.75 78.05,41.68 ; v4(67.64,71.42) 67.64,71.55 v3(67.49,71.7) ; v8(65.23,50.29) v8(65.23,49.42) 65.23,39.67 65.5,39.4 v3(65.66,39.4) v3(66.55,39.4) ; v8(80.72,73.96) 80.56,73.8 v8(80.56,72.95) ; v3(81.89,69.3) 81.89,69.3 v3(82.29,69.3) ; 79.64,89.01 79.64,74.09 ; v3(68.29,58.1) 68.15,57.96 v4(67.89,57.96) v4(67.39,57.96) v4(66.88,57.96) ; v8(69.8,73.83) v8(69.55,74.08) v8(67.51,76.12) v8(66.24,77.39) v8(64.65,78.98) 63.82,79.8 ; v8(105,67.57) 104.66,67.57 v3(104.62,67.53) ; 66.1,52.31 v3(64.49,50.71) 64.49,47.5 ; v1(77.69,41.14) 77.99,41.14 78.22,40.91 78.38,40.91 v4(78.44,40.85) ; v3(78.29,56.5) 78.29,56.6 v1(78.51,56.82) ; v3(71.89,56.9) 72.05,56.74 v8(72.09,56.74) 72.24,56.9 v3(72.29,56.9) ; v3(96.27,71.25) 90.98,71.25 v3(90.93,71.3) ; v4(93.15,62.92) 92.99,62.75 88,62.75 v8(87.92,62.75) ; 63.32,79.3 v8(68.58,74.04) v1(68.91,73.71) ; v3(85.53,49.82) 85.52,49.81 v3(85.52,40.65) v3(85.52,39.9) v3(85.32,39.7) v3(84.59,39.7) v3(84.16,39.7) 83.95,39.9 83.95,39.92 ; v8(70.05,74.47) 70.05,74.59 69.87,74.77 v8(69.87,74.8) v8(68.41,76.26) v8(67.33,77.34) v8(65.75,78.93) 64.35,80.33 ; 64.49,47.5 64.49,47.49 v3(64.5,47.5) 64.49,47.5 ; v4(79.84,55.98) 79.71,55.98 79.5,56.18 v8(79.5,56.3) 79.49,56.31 v3(79.49,56.9) ; v4(67.51,69.01) 67.65,68.88 v3(67.89,68.88) v3(68.29,68.88) ; v3(75.03,45.73) 75.26,45.73 75.31,45.79 v3(79.75,45.79) ; v3(67.89,67.68) 67.78,67.56 v4(67.56,67.56) 67.31,67.56 v8(67.26,67.61) ; v4(72.21,71.6) 72.21,71.38 v3(72.29,71.3) ; v8(93.09,61.98) 93.31,61.76 v8(93.35,61.76) ; v4(67.89,65.84) 67.82,65.91 v8(67.59,65.91) v8(67.39,65.91) 67.16,65.91 v4(67.08,65.84) ; v4(67.89,65.84) 68.03,65.7 v3(68.29,65.7) ; v4(67.89,65.84) 67.77,65.71 v8(67.59,65.71) v8(67.39,65.71) 67.21,65.71 v4(67.08,65.84) ; v4(67.89,65.84) v4(67.08,65.84) ; v8(70.05,59.89) 69.88,60.07 v4(69.72,60.07) 69.47,60.07 v8(69.43,60.11) ; v3(89.79,70.48) 89.92,70.61 v4(90.17,70.61) ; v4(74.69,71.68) 74.69,71.99 v8(74.63,72.06) ; v1(81.43,48.7) 81.12,49.01 v8(81.11,49.01) 80.85,49.28 ; v1(97.38,64.94) 97.11,64.67 v4(97.02,64.67) ; v8(70.05,76.76) v8(70.31,76.5) ; v3(84.71,54.99) 87,52.71 87.25,52.71 v3(88.14,51.82) 88.51,51.44 94.47,51.44 v1(94.49,51.46) 94.52,51.44 v3(98.03,51.44) ; v4(69.29,71.42) 69.44,71.27 v8(69.44,71.12) ; v1(100.51,66.97) 99.78,66.97 v1(99.72,67.03) ; v1(94.13,66.88) 93.87,67.15 v8(93.87,67.28) ; v4(82.76,60.06) 82.76,60.06 ; 77.09,57.28 v3(77.09,56.9) ; v3(73.49,71.3) 73.48,71.31 v4(73.48,71.68) v4(73.48,72.09) v8(73.48,72.44) ; v4(70.36,56.95) 70.29,56.88 v3(70.29,56.48) ; v8(105.3,67.38) 105.34,67.34 v1(105.34,67.03) ; v3(96.9,70.62) 96.81,70.53 93.25,70.53 v3(93.23,70.5) ; v3(100.36,73.18) 100.36,73.19 100.16,73.39 v3(94.16,73.39) 94.04,73.39 94.03,73.38 87.33,73.38 ; v4(73.15,56.74) 73.09,56.68 v3(73.09,56.1)
  L3-S1 w0.254: v4(69.29,71.42) 69.29,71.54 62.43,78.4 ; 102.29,57.11 103.01,57.11 103.18,57.29 103.18,57.7 103.21,57.73 ; 102.29,57.11 v1(102.17,57.23) ; 102.29,57.11 102.29,56.95 ; 92.69,65.07 92.56,64.95 v1(92.56,64.9) ; 92.69,65.07 v8(93.04,65.42) ; 92.69,65.07 92.46,65.3 ; v8(80.72,73.96) 80.85,74.09 v8(80.85,79.17) v8(80.85,82.22) v4(80.85,88.44) 80.85,89.84 ; 89.18,66.09 v4(89.56,66.47) 89.56,65.92 89.39,65.75 ; 89.18,66.09 v4(89.05,66.09) ; 89.18,66.09 89.33,66.09 89.62,65.8 ; 106.88,58.05 106.86,58.03 v1(106.27,58.03) ; 105.94,71.06 105.55,70.68 v1(105.51,70.68) ; v1(75.59,37.96) 75.79,37.96 75.82,37.94 ; v1(75.59,37.96) v1(74.18,37.96) ; v1(75.59,37.96) 75.61,37.94 75.82,37.94 ; v4(72.19,47.34) 72.46,47.08 73.06,47.08 73.16,47.18 v1(73.26,47.18) 73.57,47.49 ; v4(72.19,47.34) 72.03,47.19 v8(72.03,47.06) 72.03,46.72 71.91,46.59 ; v4(72.19,47.34) 72.19,46.65 v8(72.2,46.64) 72.04,46.49 71.02,46.49 v8(70.97,46.54) ; 102.29,56.95 v8(102.29,56.72) 102.78,56.72 v1(102.94,56.56) ; 102.29,56.95 102.31,56.97 102.94,56.97 v1(102.94,56.56) ; 89.39,65.75 88.93,65.75 ; 89.39,65.75 89.57,65.75 89.62,65.8 ; 76.03,37.94 76.05,37.93 v1(77,37.93) ; 76.03,37.94 75.82,37.94 ; 76.03,37.94 v1(76.29,37.94) ; v4(68.91,37.37) 69.14,37.14 v4(69.33,37.14) ; v4(89.05,66.09) 89.05,65.9 89.32,65.62 ; v4(89.05,66.09) 89.26,65.88 ; v1(77,37.93) 77.64,37.93 v1(77.68,37.96) 77.69,37.97 v1(77.69,38.74) 77.64,38.78 v1(77.64,39.53) ; v1(77,37.93) 77,37.83 v1(77.69,37.14) ; v8(73.31,47.71) 73.35,47.71 73.57,47.49 ; v1(69.02,49.97) 69.04,49.97 69.18,50.1 69.37,50.1 v1(69.53,50.26) ; v4(92.31,65.31) 92.55,65.31 ; 92.55,65.31 92.68,65.31 92.91,65.55 ; 92.55,65.31 92.54,65.3 92.46,65.3 ; 69.73,51.25 69.73,51.59 v1(69.68,51.64) ; 69.73,51.25 69.97,51 v1(70.31,51) ; 69.73,51.25 69.58,51.1 v1(68.95,51.1) ; v8(104.24,56.79) 104.57,57.12 v1(104.57,57.26) ; 90.97,66.29 v4(90.77,66.09) 90.3,65.62 v4(89.8,65.62) ; 90.97,66.29 90.63,66.62 v8(90.44,66.62) 90.48,66.66 v4(90.48,67.03) ; 90.97,66.29 v4(91.47,66.29) ; v1(102.94,56.56) 102.98,56.52 v1(102.98,55.87) ; v1(104.6,65.63) 104.24,65.27 104.18,65.27 103.81,64.89 v1(103.78,64.89) ; v1(104.6,65.63) 104.02,66.2 104.02,66.44 104.56,66.98 v1(104.56,66.99) 104.61,67.03 v1(105.34,67.03) 105.37,67.01 v1(106.15,67.01) 107.54,67.01 v1(107.61,66.94) ; v1(104.6,65.63) 104.6,65.25 104.84,65.01 106.07,65.01 106.17,64.91 ; v4(89.8,65.62) 89.32,65.62 ; v4(89.8,65.62) 89.62,65.8 ; v8(98.6,70.52) 98.6,70.82 v3(98.63,70.85) ; 89.32,65.62 89.15,65.62 v4(88.93,65.4) ; v4(93.35,65.59) 93.32,65.62 93.07,65.62 ; v4(91.66,65.3) 92.46,65.3 ; v1(73.5,37.93) 74.14,37.93 v1(74.18,37.96) ; v1(97.39,55.18) 97.42,55.15 97.42,54.91 97.57,54.76 v4(97.57,54.7) ; v1(103.78,64.89) 103.03,64.89 v1(103,64.92) ; v1(103.78,64.89) 103.78,64.21 v1(103.74,64.18) ; 103.21,57.73 v4(103.1,57.84) 103.63,57.84 v1(103.82,58.03) ; 103.21,57.73 103.26,57.68 ; 70.45,38.11 70.27,37.94 v1(70.22,37.94) 70.22,37.4 v1(69.99,37.16) ; v1(74.18,37.96) v1(74.18,38.76) 74.14,38.73 v1(73.49,38.73) 72.8,38.73 v1(72.77,38.76) ; 104.39,68.05 104.37,68.07 v8(104.09,68.07) ; 104.39,68.05 104.39,67.76 v3(104.62,67.53) ; 104.39,68.05 v8(104.39,68.25) ; v1(69.72,48.87) 69.64,48.95 v1(68.97,48.95) ; v3(87.88,69.85) 87.74,69.85 v4(87.56,69.66) ; 70.78,34.76 v1(70.75,34.73) ; 84.72,40.68 84.72,42.48 v3(84.83,42.59) ; 90.39,65.14 v4(90.19,65.14) 90.42,65.37 v8(90.47,65.37) ; 90.39,65.14 90.4,65.14 v4(91,64.54) ; 90.39,65.14 v8(90.71,64.82) 90.71,65.13 v8(90.47,65.37) ; 62.82,78.8 69.31,72.31 v8(69.42,72.31) ; 73.57,47.49 73.65,47.41 v8(73.65,46.92) ; 73.57,47.49 v8(73.68,47.49) 73.81,47.49 ; v8(92.83,65.62) 93.07,65.62 ; v1(106.64,67.91) v1(107.06,67.91) ; 100.16,70.77 100.32,70.61 v8(100.32,70.37) 100.32,69.61 v1(99.81,69.1) ; v1(102.98,67) 102.55,66.58 v8(102.55,66.48) ; 93.07,65.62 92.89,65.79 v4(92.89,65.99) ; v3(83.09,60.06) v4(82.76,60.06) ; v3(74.68,56.09) 74.68,56.37 v4(74.7,56.39) ; v8(90.47,65.37) 90.46,65.39 v8(90.46,65.83) ; v1(106.93,60.94) v1(106.25,60.94) ; v8(88.62,70.2) v4(88.83,69.99) ; v1(99.86,56.52) 100.54,57.21 v1(100.54,57.21) 100.09,57.66 98.73,57.66 v4(98.69,57.61) 98.54,57.61 v1(98.16,57.23) ; v8(72.22,38.32) 71.77,38.77 v1(71.36,38.77) 70.6,39.53 v1(69.99,39.53) ; v1(74.45,47.3) 74.17,47.3 v8(74,47.47) ; v1(80.65,49.22) 80.7,49.28 80.86,49.28 v1(81.22,49.63) ; v1(106.81,62.36) 106.38,62.79 v1(104.58,62.79) 104.7,62.67 104.7,62.54 104.58,62.42 v1(104.58,62.11) 105.37,62.11 v1(105.39,62.08) 105.39,62.76 v1(105.34,62.81) ; v4(90.06,64.15) 90.06,64.64 90.37,64.95 ; 103.77,62.17 103.75,62.15 103.09,62.15 v4(103.07,62.13) 103.07,62.75 v1(103,62.82) 103.75,62.82 v1(103.77,62.84) 103.77,62.17
  L3-S1 w0.305: v4(73.94,63.75) 73.89,63.71 v3(73.89,63.3)
  L3-S1 w0.381: v1(101.37,67.44) 101.49,67.56 v1(102.14,67.56) ; v1(101.37,67.44) 100.82,67.44 ; v1(101.37,67.44) 101.06,67.12 100.54,67.12 100.45,67.03 ; v3(100.16,71.35) 100.16,71.34 100.16,70.77 99.98,70.59 v4(99.98,70.58) ; v1(70.02,40.33) 70.02,39.56 ; 70.02,39.56 v1(69.99,39.53) ; 70.02,39.56 70.05,39.59 v1(70.7,39.59) ; v1(100.54,67.72) 100.54,67.01 v1(100.51,66.97) 100.45,67.03 ; v1(75.93,38.73) 75.93,37.98 75.94,37.96 ; 79,36.15 79.28,36.43 v4(79.58,36.43) ; 79,36.15 78.54,36.15 v1(78.37,36.33) 78.37,36.28 78.79,35.85 ; 79,36.15 78.79,35.94 78.79,35.85 ; v4(69.33,37.14) 69.96,37.14 v1(69.99,37.16) ; 100.45,67.03 v1(99.72,67.03) ; 78.79,35.85 v1(79.1,35.54) ; v4(79.82,37.16) 80.46,37.16 v1(80.49,37.14) ; 63.96,38.01 65.16,36.81 v1(65.16,36.49) 65.01,36.64 64.92,36.64 v3(64,37.56) 64,37.67
  L3-S1 w0.406: v8(83.39,75.74) v8(83.39,73.93) ; 82.43,94.1 87.45,89.08 v8(87.45,82.47) 87.45,75.36 84.28,72.19 83.74,72.19 ; v8(85.55,88.7) v8(85.55,84.38) v8(85.55,82.6) v8(85.55,80.06) ; 81.86,87.68 81.86,90.22
  L5-POWER2 w0.064: v1(73.51,65.66) 73.38,65.78 v4(73.08,65.78) 73.05,65.81 v4(72.64,65.81) ; v4(73.71,65.25) 73.58,65.38 v4(73.15,65.38) 72.6,65.38 v4(72.58,65.41) 72.52,65.41 v1(72.26,65.66) ; v4(88.65,66.8) 88.65,66.81 88.9,67.06
  L5-POWER2 w0.076: v1(80.91,63.01) 80.91,62.91 80.98,62.83 81.17,62.83 v1(81.33,62.99)
  L5-POWER2 w0.102: v1(80.91,63.01) 80.9,63.01 v4(80.4,62.5) ; v4(80.9,62.48) 80.42,62.48 v4(80.4,62.5) ; v4(80.4,62.5) 80.09,62.5 79.99,62.6 79.94,62.6 79.66,62.88 79.36,62.88 v4(79.27,62.97)
  L5-POWER2 w0.203: v4(74.04,62.23) 74.67,62.23 74.7,62.2 v4(74.7,62.08) ; v4(70.36,66.31) 70.59,66.31 70.79,66.11 v4(70.79,65.99) 70.94,66.14 v4(71.2,66.14) ; 76.89,62.74 76.88,62.74 76.49,62.74 76.49,62.74 ; 76.89,62.74 v4(76.94,62.79) ; 76.89,62.74 76.89,62.19 76.91,62.18 ; v4(74.03,64.62) 74.43,64.62 v4(74.43,64.63) ; v4(75.49,60.5) 75.49,60.12 v4(75.54,60.07) ; 76.5,63.47 76.71,63.26 v4(76.71,63.2) ; v4(76.1,59.64) 75.69,59.64 v4(75.67,59.62) ; v4(73.69,60.76) v4(73.25,60.76) v4(72.85,60.76) v4(72.45,60.76) 72.45,60.76 72.06,60.76 72.05,60.74 v4(72.05,60.73) 72.03,60.73 72,60.76 v4(71.64,60.76) 71.64,60.77 v4(71.24,60.77)